# Altium PCB BEE_BOARD.PcbDoc (part 1 of 3) (continued)
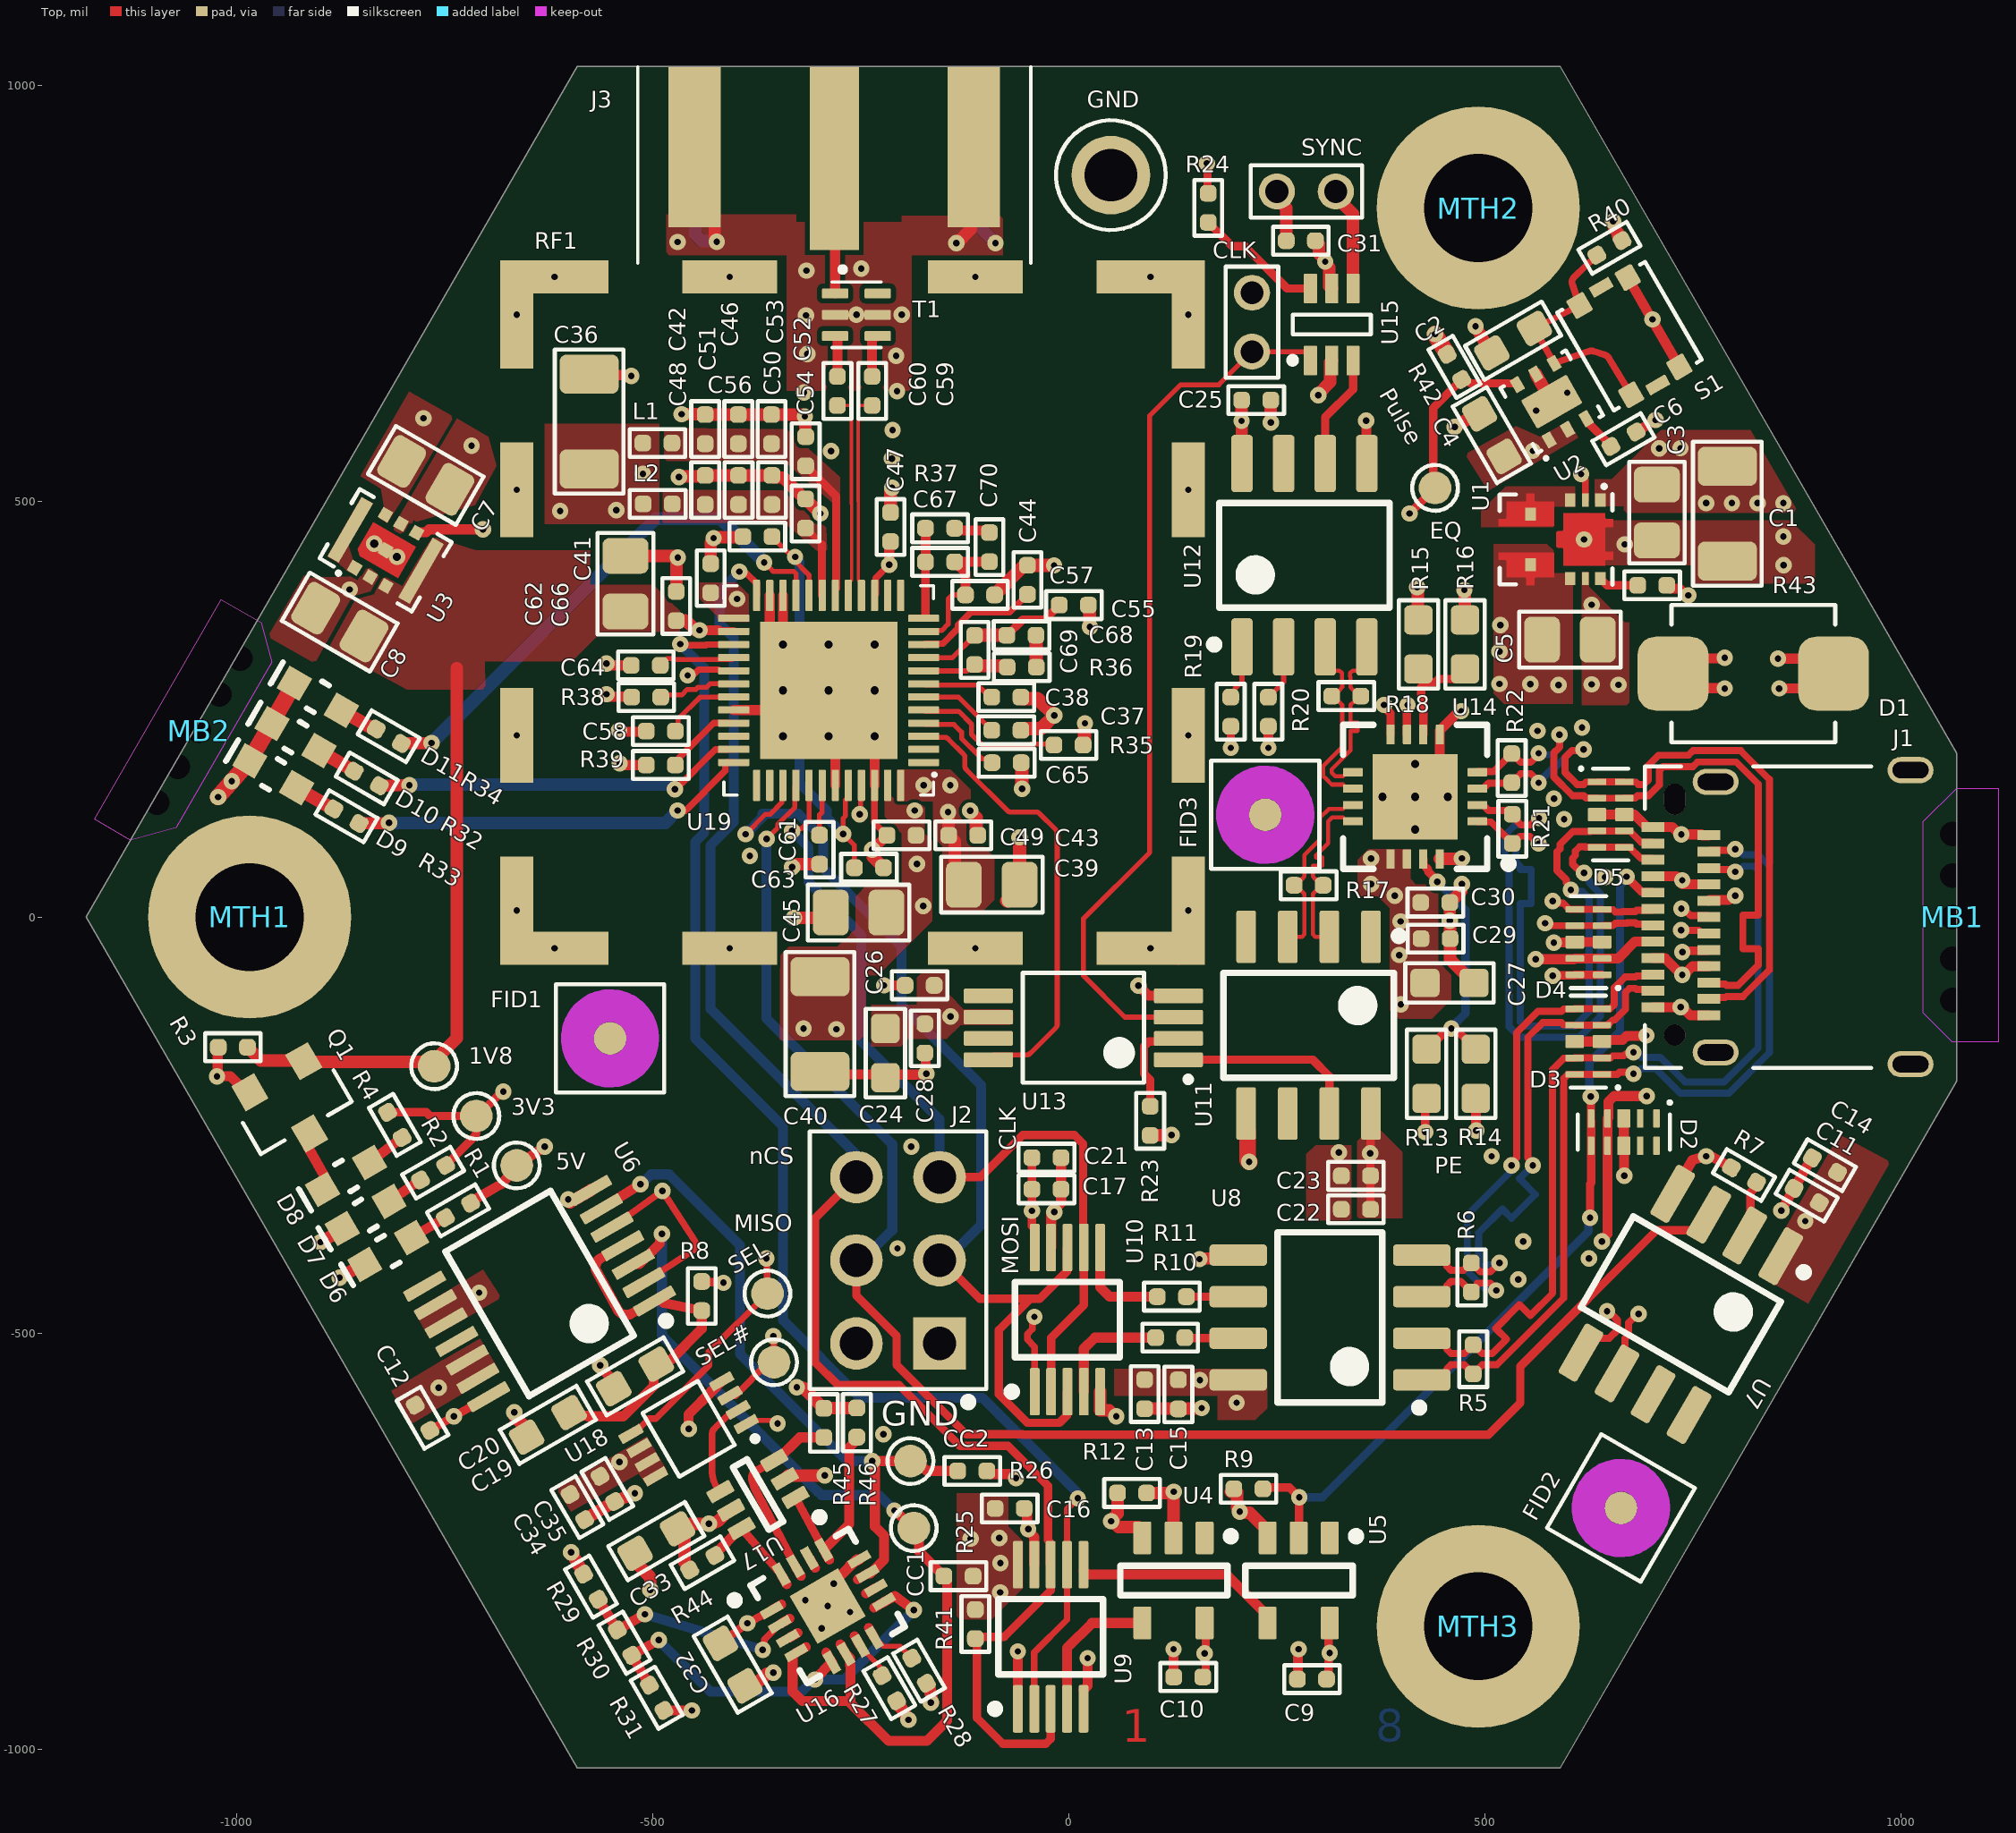
[diagram p0: Top view]
## Design rules (kind name [scope] priority, off if disabled: settings)
BoardOutlineClearance Clearance_Connecteur [InComponent('J3')] p1: gap=0 ignorepadtopadclearanceinfootprint=FALSE
BoardOutlineClearance BoardOutlineClearance-Silk [(OnLayer('Bottom Overlay')) OR (OnLayer('Top Overlay'))] p2: gap=0 ignorepadtopadclearanceinfootprint=FALSE
BoardOutlineClearance BoardOutlineClearance-Fiducials [InComponentClass('Fiducials')] p3: gap=0 ignorepadtopadclearanceinfootprint=FALSE
BoardOutlineClearance BoardOutlineClearance-MouseBites [HasFootprint('PNL_MOUSEBITES_100MIL_5-HOLES')] p4: gap=10 ignorepadtopadclearanceinfootprint=FALSE except(0: Arc-SplitContinuation Track-SplitContinuation SMDPad-SplitContinuation THPad-OutlineEdge THPad-CavityEdge THPad-CutoutEdge THPad-SplitBarrior THPad-SplitContinuation Via-SplitContinuation Fill-SplitContinuation Poly-SplitContinuation Region-OutlineEdge Region-CavityEdge Region-CutoutEdge Region-SplitBarrior Region-SplitContinuation Text-SplitContinuation; 20: Arc-OutlineEdge Track-OutlineEdge SMDPad-OutlineEdge Via-OutlineEdge Fill-OutlineEdge Poly-OutlineEdge Text-OutlineEdge)
BoardOutlineClearance [All] p5: gap=20 ignorepadtopadclearanceinfootprint=FALSE
Clearance Clearance_wg [All vs InNamedPolygon('waveguide')] p1: gap=6 ignorepadtopadclearanceinfootprint=FALSE
Clearance Clearance_HOLE_2_PAD [IsVia and (NOT InAnyComponent) vs IsSMTPin Or IsThruPin  or IsVia] p2: gap=0 ignorepadtopadclearanceinfootprint=FALSE except(2: SMDPad-Via THPad-Via; 6: Via-Via)
Clearance Clearance_VIA_SAME [IsVia and (NOT InAnyComponent) vs IsVia and (NOT InAnyComponent)] p3: gap=5.2 ignorepadtopadclearanceinfootprint=FALSE
Clearance Clearance_VIA [IsVia AND (InAnyComponent) vs IsVia AND (InAnyComponent)] p4: gap=12.2 ignorepadtopadclearanceinfootprint=FALSE
Clearance Clearance_GEN [All] p5: gap=4 ignorepadtopadclearanceinfootprint=FALSE
ComponentClearance "Schematic Component Clearance Constraint" [InComponent('MB2')] p1: gap=0 collisioncheckmode=3 verticalgap=0 showdistances=FALSE
ComponentClearance "Schematic Component Clearance Constraint_3" [InComponent('MB1')] p2: gap=0 collisioncheckmode=3 verticalgap=0 showdistances=FALSE
ComponentClearance [All] p3: gap=4 collisioncheckmode=3 verticalgap=4 showdistances=FALSE
DiffPairsRouting DIFF_100_OHM [InDifferentialPairClass('DIFF_100')] p1: maxlimit=8 minlimit=5 mostfreqgap=8 toplayer_maxgap=5 toplayer_prefgap=5 toplayer_minwidth=5 toplayer_maxwidth=5 toplayer_prefwidth=5 midlayer1_mingap=8 midlayer1_minwidth=4 midlayer1_maxwidth=4 midlayer1_prefwidth=4 midlayer2_mingap=8 midlayer2_minwidth=4 midlayer2_maxwidth=4 midlayer2_prefwidth=4 bottomlayer_maxgap=5 bottomlayer_prefgap=5 bottomlayer_minwidth=5 bottomlayer_maxwidth=5 bottomlayer_prefwidth=5 maxuncoupledlength=500
DiffPairsRouting DIFF_90_OHM [InDifferentialPairClass('DIFF_90')] p2: maxlimit=7 minlimit=5 mostfreqgap=7 toplayer_maxgap=5 toplayer_prefgap=5 toplayer_minwidth=7.5 toplayer_maxwidth=7.5 toplayer_prefwidth=7.5 midlayer1_mingap=7 midlayer1_minwidth=5 midlayer1_maxwidth=5 midlayer1_prefwidth=5 midlayer2_mingap=7 midlayer2_minwidth=5 midlayer2_maxwidth=5 midlayer2_prefwidth=5 bottomlayer_maxgap=5 bottomlayer_prefgap=5 bottomlayer_minwidth=7.5 bottomlayer_maxwidth=7.5 bottomlayer_prefwidth=7.5 maxuncoupledlength=500
DiffPairsRouting DIFF_85_OHM [InDifferentialPairClass('DIFF_85')] p3: maxlimit=5.5 minlimit=5 mostfreqgap=5.5 toplayer_maxgap=5 toplayer_prefgap=5 toplayer_minwidth=8.5 toplayer_maxwidth=8.5 toplayer_prefwidth=8.5 midlayer1_mingap=5.5 midlayer1_minwidth=5 midlayer1_maxwidth=5 midlayer1_prefwidth=5 midlayer2_mingap=5.5 midlayer2_minwidth=5 midlayer2_maxwidth=5 midlayer2_prefwidth=5 bottomlayer_maxgap=5 bottomlayer_prefgap=5 bottomlayer_minwidth=8.5 bottomlayer_maxwidth=8.5 bottomlayer_prefwidth=8.5 maxuncoupledlength=500
HoleSize [All] p1: absolutevalues=TRUE maxlimit=255.91 minlimit=7.87 maxpercent=80.000 minpercent=20.000
HoleToHoleClearance HoleToHoleClearance_Via [All] p1: gap=8 allowstackedmicrovias=TRUE
MatchedLengths [InNetClass('TX')] p1: tolerance=1 checknetsindiffpair=FALSE checkdiffpairvsdiffpair=TRUE checkxsignals=TRUE checkothers=TRUE
MatchedLengths DiffMatching_WithinPair [InDifferentialPairClass('All Differential Pairs')] p2: tolerance=1 checknetsindiffpair=TRUE checkdiffpairvsdiffpair=FALSE checkxsignals=FALSE checkothers=FALSE
MinimumAnnularRing [All] p1: minimumring=3.94
MinimumSolderMaskSliver [All] p1: minsoldermaskwidth=3.94
PasteMaskExpansion [All] p1: expansion=-0.98
PlaneClearance "Schematic Power Plane Clearance" [InComponent('MB2')] p1: clearance=20
PlaneClearance "Schematic Power Plane Clearance_3" [InComponent('MB1')] p2: clearance=20
PlaneClearance [All] p3: clearance=6
PlaneConnect [All] p1: pad.planeconnectstyle=Relief pad.reliefexpansion=20 pad.reliefentries=4 pad.reliefconductorwidth=10 pad.reliefairgap=10 via.planeconnectstyle=Direct via.reliefexpansion=20 via.reliefentries=4 via.reliefconductorwidth=10 via.reliefairgap=10
PolygonConnect [All] p1: thpad.connectstyle=Relief thpad.reliefconductorwidth=10 thpad.reliefentries=4 thpad.polygonreliefangle="90 Angle" thpad.airgapwidth=10 smdpad.connectstyle=Direct smdpad.reliefconductorwidth=10 smdpad.reliefentries=4 smdpad.polygonreliefangle="90 Angle" smdpad.airgapwidth=10 via.connectstyle=Direct via.reliefconductorwidth=10 via.reliefentries=4 via.polygonreliefangle="90 Angle" via.airgapwidth=10
RoutingVias [All] p1: holewidth=9.84 width=21.65 viastyle="Through Hole" minholewidth=7.87 minwidth=19.68 maxholewidth=255.91 maxwidth=295.28
SilkToSilkClearance [All] p1: silktosilkclearance=1
SilkToSolderMaskClearance [IsPad] p1: minsilkscreentomaskgap=1 clearancetoexposedcopper=FALSE
SolderMaskExpansion [All] p1: expansion=2.76 istentingtop=FALSE
UnRoutedNet [All] p1: checkbadconnections=TRUE
Width Width_50_OHM [InNetClass('SE_50OHM')] p1: maxlimit=12 minlimit=6 preferedwidth=12 toplayer_minwidth=12 midlayer1_maxwidth=6 midlayer1_prefwidth=6 midlayer2_maxwidth=6 midlayer2_prefwidth=6 bottomlayer_minwidth=12 minimp=50.000000 maximp=50.000000 favimp=50.000000
Width [All] p2: maxlimit=100 minlimit=4 preferedwidth=12 minimp=50.000000 maximp=50.000000 favimp=50.000000
19 further rules are at their usual default settings.

## Classes and differential pairs
net class TX: TX1_N TX1_P TX2_N TX2_P
net class SE_50OHM: CC1 CC2 NetC59_1 NetC60_1 NetJ3_1 NetR10_1 NetR11_1
differential pair class DIFF_85: D RX1 RX2 TX1 TX2
component class "Polarity Check": C32 C33 C34 C35 CC1 CC2 Pulse R25 R26 R27 R28 R29 R30 R31 R44 R45 R46 SEL SEL# U16 U17 U18
differential pair class DIFF_100: CLK_BB_LVDS RF SYNC_BB_LVDS
component class TOP: D1 D2 D3 D4 D5 GND J1 J2
component class POWER: 1V8 3V3 5V C1 C2 C3 C4 C5 C6 C7 C8 D6 D7 D8 Q1 R1 R2 R3 R4 R40 R42 R43 S1 U1 U2 U3
component class RECEIVE: C9 C10 C11 C12 C13 C14 C15 C16 C17 C19 C20 C21 C22 C23 C24 C25 C26 C27 C28 C29 C30 C31 CLK R5 R6 R7 R8 R9 R10 R11 R12 R13 R14 R15 R16 R17 R18 R19 R20 R21 R22 R23 R24 R41 SYNC U4 U5 U6 U7 U8 U9 U10 U11 U12 U13 U14 U15
component class DECAWAVE: C36 C37 C38 C39 C40 C41 C42 C43 C44 C45 C46 C47 C48 C49 C50 C51 C52 C53 C54 C55 C56 C57 C58 C59 C60 C61 C62 C63 C64 C65 C66 C67 C68 C69 C70 D9 D10 D11 J3 L1 L2 R32 R33 R34 R35 R36 R37 R38 R39 RF1 T1 U19
component class BEE_BOARD_TITLE: FID1 FID2 FID3 MB1 MB2 MTH1 MTH2 MTH3
differential pair TX2: +TX2_P -TX2_N
differential pair TX1: +TX1_P -TX1_N
differential pair RX2: +RX2_P -RX2_N
differential pair RX1: +RX1_P -RX1_N
differential pair D: +D_P -D_N
differential pair SYNC_BB_LVDS: +SYNC_BB_LVDS_P -SYNC_BB_LVDS_N
differential pair RF: +RF_P -RF_N
differential pair CLK_BB_LVDS: +CLK_BB_LVDS_P -CLK_BB_LVDS_N

## Components (designator, comment, footprint, x,y, rotation, side; value= is the part's Value field where it differs from the comment)
1V8 "1 MM" TPO_SMD_ROUND_1MM -762.62,-179.27 r300 top
3V3 "1 MM" TPO_SMD_ROUND_1MM -711.99,-239.06 r300 top
5V "1 MM" TPO_SMD_ROUND_1MM -663.39,-298.43 r120 top
C1 "CL31A226KAHNNNE" CAP_CER_1206 791.59,484.98 r90 top value=22uF
C2 "C0603C105K8PACTU" CAP_CER_0603 534.12,693.02 r210 top value=1uF
C3 "C2012X7R1E475K125AE" CAP_CER_0805 706.99,486.45 r90 top value=4.7uF
C4 "C0603C105K8PACTU" CAP_CER_0603 508.57,579.48 r120 top value=1uF
C5 "GRM21BR61C106KE15K" CAP_CER_0805 602.36,333.66 r180 top value=10uF
C6 "CGA2B3X7R1E104K050BB" CAP_CER_0402 666.72,574.55 r210 top value=100nF
C7 "C2012X7R1E475K125AE" CAP_CER_0805 -772.66,531.02 r150 top value=4.7uF
C8 "GRM21BR61C106KE15K" CAP_CER_0805 -876.05,354.64 r330 top value=10uF
C9 "CGA2B3X7R1E104K050BB" CAP_CER_0402 292.39,-916.06 r0 top value=100nF
C10 "CGA2B3X7R1E104K050BB" CAP_CER_0402 143.7,-913.46 r0 top value=100nF
C11 "CL05B103KA5NNNC" CAP_CER_0402 886.97,-334.78 r330 top value=10nF
C12 "CGA2B3X7R1E104K050BB" CAP_CER_0402 -776.58,-601.89 r120 top value=100nF
C13 "CL05B103KA5NNNC" CAP_CER_0402 91.2,-573.44 r90 top value=10nF
C14 "JMK105B7474KVHF" CAP_CER_0402 908.88,-298.16 r330 top value=470nF
C15 "JMK105B7474KVHF" CAP_CER_0402 131.81,-573.76 r90 top value=470nF
C16 "CGA2B3X7R1E104K050BB" CAP_CER_0402 -70.97,-710.81 r180 top value=100nF
C17 "CL05B103KA5NNNC" CAP_CER_0402 -26.71,-327.14 r180 top value=10nF
C19 "C0603C105K8PACTU" CAP_CER_0603 -625.98,-610.35 r210 top value=1uF
C20 "C0603C105K8PACTU" CAP_CER_0603 -521.21,-552.17 r210 top value=1uF
C21 "JMK105B7474KVHF" CAP_CER_0402 -26.71,-289.2 r180 top value=470nF
C22 "CGA2B3X7R1E104K050BB" CAP_CER_0402 345.17,-351.28 r0 top value=100nF
C23 "CC0402KRX7R9BB102" CAP_CER_0402 345.17,-310.99 r0 top value=1nF
C24 "C0603C105K8PACTU" CAP_CER_0603 -220.29,-163.41 r270 top value=1uF
C25 "CGA2B3X7R1E104K050BB" CAP_CER_0402 225.36,621.61 r180 top value=100nF
C26 "CGA2B3X7R1E104K050BB" CAP_CER_0402 -179.17,-82.01 r0 top value=100nF
C27 "C0603C105K8PACTU" CAP_CER_0603 457.69,-79.16 r0 top value=1uF
C28 "CC0402KRX7R9BB102" CAP_CER_0402 -172.92,-145.81 r90 top value=1nF
C29 "CGA2B3X7R1E104K050BB" CAP_CER_0402 440.94,-25.97 r180 top value=100nF
C30 "CC0402KRX7R9BB102" CAP_CER_0402 440.63,17.5 r180 top value=1nF
C31 "CGA2B3X7R1E104K050BB" CAP_CER_0402 278.98,813.21 r180 top value=100nF
C32 "C0603C105K8PACTU" CAP_CER_0603 -403.86,-898.58 r300 top value=1uF
C33 "C0603C105K8PACTU" CAP_CER_0603 -495.66,-750.14 r210 top value=1uF
C34 "CGA2B3X7R1E104K050BB" CAP_CER_0402 -590.55,-709.19 r120 top value=100nF
C35 "CGA2B3X7R1E104K050BB" CAP_CER_0402 -554.49,-687.41 r120 top value=100nF
C36 "CL31A226KAHNNNE" CAP_CER_1206 -576.3,595.83 r270 top value=22uF
C37 "CGA2B3X7R1E104K050BB" CAP_CER_0402 -74.95,224.62 r180 top value=100nF
C38 "CGA2B3X7R1E104K050BB" CAP_CER_0402 -74.95,264.62 r180 top value=100nF
C39 "C2012X7R1E475K125AE" CAP_CER_0805 -92.45,39.01 r180 top value=4.7uF
C40 "CL31A226KAHNNNE" CAP_CER_1206 -298.87,-128.54 r90 top value=22uF
C41 "CGA2B3X7R1E104K050BB" CAP_CER_0402 -430.25,407.49 r270 top value=100nF
C42 "CGA2B3X7R1E104K050BB" CAP_CER_0402 -436.9,586.69 r270 top value=100nF
C43 "CGA2B3X7R1E104K050BB" CAP_CER_0402 -126.75,98.31 r180 top value=100nF
C44 "CGA2B3X7R1E104K050BB" CAP_CER_0402 -49.6,405.43 r270 top value=100nF
C45 "C2012X7R1E475K125AE" CAP_CER_0805 -252.49,5.51 r0 top value=4.7uF
C46 "CL05B103KA5NNNC" CAP_CER_0402 -397.06,586.69 r270 top value=10nF
C47 "CGA2B3X7R1E104K050BB" CAP_CER_0402 -214.07,468.95 r270 top value=100nF
C48 "CGA2B3X7R1E104K050BB" CAP_CER_0402 -436.9,513.52 r270 top value=100nF
C49 "CGA2B3X7R1E104K050BB" CAP_CER_0402 -200.92,98.31 r0 top value=100nF
C50 "CC0402KRX7R9BB102" CAP_CER_0402 -357.23,586.69 r270 top value=1nF
C51 "CL05B103KA5NNNC" CAP_CER_0402 -396.77,513.52 r270 top value=10nF
C52 "CC0402JRNPO9BN120" CAP_CER_0402 -316.03,560.11 r270 top value=12pF
C53 "CC0402KRX7R9BB102" CAP_CER_0402 -356.65,513.52 r270 top value=1nF
C54 "CC0402JRNPO9BN120" CAP_CER_0402 -316.19,485.19 r270 top value=12pF
C55 "CGA2B3X7R1E104K050BB" CAP_CER_0402 6.17,375.13 r180 top value=100nF
C56 "CGA2B3X7R1E104K050BB" CAP_CER_0402 -374.15,457.47 r0 top value=100nF
C57 "CGA2B3X7R1E104K050BB" CAP_CER_0402 -106.56,387.39 r180 top value=100nF
C58 "CGA2B3X7R1E104K050BB" CAP_CER_0402 -490.24,223.64 r0 top value=100nF
C59 "CC0402JRNPO9BN120" CAP_CER_0402 -236.26,632.61 r270 top value=12pF
C60 "CC0402JRNPO9BN120" CAP_CER_0402 -277.91,632.61 r270 top value=12pF
C61 "CGA2B3X7R1E104K050BB" CAP_CER_0402 -299.45,81.13 r90 top value=100nF
C62 "C2012X7R1E475K125AE" CAP_CER_0805 -532.74,400.87 r270 top value=4.7uF
C63 "CGA2B3X7R1E104K050BB" CAP_CER_0402 -240.01,59.38 r180 top value=100nF
C64 "CGA2B3X7R1E104K050BB" CAP_CER_0402 -508.29,302.66 r180 top value=100nF
C65 "CC0402JRNPO9BN101" CAP_CER_0402 -74.59,185.72 r180 top value=100pF
C66 "CGA2B3X7R1E104K050BB" CAP_CER_0402 -471.64,374.03 r270 top value=100nF
C67 "GRM1555C1H180GA01D" CAP_CER_0402 -154.58,427.11 r180 top value=18pF
C68 "CC0402JRNPO9BN270" CAP_CER_0402 -56.74,338.89 r0 top value=27pF
C69 "C0402C129C5GACTU" CAP_CER_0402 -113.02,321.24 r90 top value=1.2pF
C70 "CC0402KRX7R9BB821" CAP_CER_0402 -95.31,444.82 r90 top value=820pF
CC1 "1 MM" TPO_SMD_ROUND_1MM -186.17,-734.47 r0 top
CC2 "1 MM" TPO_SMD_ROUND_1MM -190.2,-653.95 r90 top
CLK "TH ROUND 0.7mm DOUBLE" TPO_TH_ROUND_0.7mm_DOUBLE 220.28,715.21 r270 top
D1 "SMBJ5.0A" TVS_PWR_SMBJ5.0CA 822.83,292.74 r0 top value="Vbr = 6.4V -  Clamp = 9.2V"
D2 "DT1140-04LP-7" TVS_DATA_DT1140-04LP-7 667.17,-258.42 r270 top value="5.5V @ 1mA (Reverse Standoff)"
D3 "DT1140-04LP-7" TVS_DATA_DT1140-04LP-7 624.55,-149.59 r180 top value="5.5V @ 1mA (Reverse Standoff)"
D4 "DT1140-04LP-7" TVS_DATA_DT1140-04LP-7 651.35,123.32 r0 top value="5.5V @ 1mA (Reverse Standoff)"
D5 "DT1140-04LP-7" TVS_DATA_DT1140-04LP-7 624.74,-29.96 r180 top value="5.5V @ 1mA (Reverse Standoff)"
D6 "SML-D12P8WT86" LED_SML-D12P8WT86 -817.83,-401.4 r30 top value="560 nm (green)"
D7 "SML-D12P8WT86" LED_SML-D12P8WT86 -844.93,-358.15 r30 top value="560 nm (green)"
D8 "SML-D12P8WT86" LED_SML-D12P8WT86 -868.49,-311.23 r30 top value="560 nm (green)"
D9 "SML-D12P8WT86" LED_SML-D12P8WT86 -956.09,171.72 r330 top value="560 nm (green)"
D10 "SML-D12P8WT86" LED_SML-D12P8WT86 -929.26,216.5 r330 top value="560 nm (green)"
D11 "SML-D12P8WT86" LED_SML-D12P8WT86 -902.37,264.91 r330 top value="560 nm (green)"
FID1 "FID 1MM" FID_CIRCLE_1MM -551.18,-145.67 r0 top
FID2 "FID 1MM" FID_CIRCLE_1MM 663.67,-710.31 r60 top
FID3 "FID 1MM" FID_CIRCLE_1MM 236.22,123.04 r0 top
GND "5011" TPO_5011 50.74,892.05 r0 top
J1 "12401598E4#2A" CON_USB_3.2_TypeC_12401598E4#2A 728.35,0 r90 top value="USB 3.2 Type C"
J2 "10129381-906002BLF" CON_HDR_10129381-906002BLF -205.2,-412.52 r180 top value="6 Pos."
J3 "CONSMA020.062-G" CON_SMA_CONSMA020.062-G -281.72,912.11 r180 top value="50 ohm"
L1 "BLM15AG601SN1D" FER_0402 -494.3,569.96 r0 top value=600R@100Mhz
L2 "BLM15AG601SN1D" FER_0402 -493.98,496.79 r0 top value=600R@100Mhz
MB1 "MOUSE BITES" PNL_MOUSEBITES_100MIL_5-HOLES 1117.13,0 r90 top
MB2 "MOUSE BITES" PNL_MOUSEBITES_100MIL_5-HOLES -1093.3,251.92 r240 top
MTH1 "M3" MTH_M3#1 -984.25,0 r0 top locked
MTH2 "M3" MTH_M3#2 492.13,852.36 r0 top locked
MTH3 "M3" MTH_M3#1 492.13,-852.36 r0 top locked
Pulse "1 MM" TPO_SMD_ROUND_1MM 440.31,515.99 r90 top
Q1 "BSS138LT1G" TRX_NMOS_BSS138LT1G -932.1,-225.98 r300 top
R1 "ERJ-2RKF4020X" RES_0402 -733.96,-352.56 r30 top value=402R
R2 "ERJ-2RKF4750X" RES_0402 -763.94,-307.18 r30 top value=475R
R3 "RC0402FR-0710KL" RES_0402 -1004.57,-156.35 r180 top value=10k
R4 "ERJ-2RKF4750X" RES_0402 -809.83,-249.77 r300 top value=475R
R5 "RC0402FR-0784R5L" RES_0402 486.22,-531.5 r270 top value=84R5
R6 "RC0402FR-0784R5L" RES_0402 484.04,-433.19 r270 top value=84R5
R7 "RC0402FR-071KL" RES_0402 811.58,-310.01 r330 top value=1k
R8 "RC0402FR-07100KL" RES_0402 -441.08,-455.49 r90 top value=100k
R9 "RC0402FR-0710KL" RES_0402 216.02,-687.3 r180 top value=10k
R10 "RC0402FR-0733RL" RES_0402 121.96,-505.53 r0 top value=33R
R11 "RC0402FR-0733RL" RES_0402 123.99,-456.26 r0 top value=33R
R12 "RC0402FR-0710KL" RES_0402 76.16,-692.3 r180 top value=10k
R13 "RC0603JR-070RL" RES_0603 430.12,-188.39 r270 top value=0R
R14 "RC0603JR-070RL" RES_0603 489.18,-188.4 r90 top value=0R
R15 "RC0603JR-070RL" RES_0603 420.28,327.76 r90 top value=0R
R16 "RC0603JR-070RL" RES_0603 476.38,327.76 r270 top value=0R
R17 "RC0402FR-07100RP" RES_0402 288.39,38.39 r0 top value=100R
R18 "RC0402FR-07100RP" RES_0402 333.66,265.75 r180 top value=100R
R19 "RC0402FR-071KL" RES_0402 194.79,246.9 r270 top value=1k
R20 "RC0402FR-071KL" RES_0402 239.96,246.89 r270 top value=1k
R21 "RMCF0402FT562R" RES_0402 533.16,106.21 r270 top value=562R
R22 "RMCF0402FT562R" RES_0402 532.48,179.13 r270 top value=562R
R23 "RC0402FR-0710KL" RES_0402 97.95,-244.86 r270 top value=10k
R24 "RC0402FR-0710KL" RES_0402 167.77,852.68 r90 top value=10k
R25 "RC0402FR-07100KL" RES_0402 -132.45,-792.28 r0 top value=100k
R26 "RC0402FR-07100KL" RES_0402 -115.85,-665.81 r180 top value=100k
R27 "RC0402FR-07100KL" RES_0402 -215.61,-927.01 r300 top value=100k
R28 "RC0402FR-07100KL" RES_0402 -179.87,-905.89 r300 top value=100k
R29 "RC0402FR-07100KL" RES_0402 -574.2,-804.89 r120 top value=100k
R30 "RMCF0402FT200K" RES_0402 -533.82,-872.21 r120 top value=200K
R31 "RC0402FR-07100KL" RES_0402 -495.18,-938.48 r120 top value=100k
R32 "ERJ-2RKF4750X" RES_0402 -843.61,166.72 r330 top value=475R
R33 "ERJ-2RKF4750X" RES_0402 -868.01,121.29 r330 top value=475R
R34 "ERJ-2RKF4750X" RES_0402 -817.17,217.46 r330 top value=475R
R35 "RC0402FR-0711KL" RES_0402 -0.14,206.91 r180 top value=11k
R36 "RC0402FR-0716KL" RES_0402 -56.43,300.57 r0 top value=16k
R37 "RC0402FR-07270RL" FER_0402 -154.58,467.47 r180 top value=270
R38 "RC0402FR-0710KL" RES_0402 -507.74,264.46 r0 top value=10k
R39 "RC0402FR-0710KL" RES_0402 -490.24,182.96 r0 top value=10k
R40 "RC0402FR-07100KL" RES_0402 649.92,804.56 r30 top value=100k
R41 "RC0402FR-0710KL" RES_0402 -112.2,-849.86 r90 top value=10k
R42 "RC0402FR-07100KL" RES_0402 463.59,661.46 r120 top value=100k
R43 "RC0402FR-07100KL" RES_0402 701.31,398.94 r0 top value=100k
R44 "RC0402FR-0710KL" RES_0402 -440.31,-776.09 r210 top value=10k
R45 "RC0402FR-0710KL" RES_0402 -294.32,-607.99 r90 top value=10k
R46 "RC0402FR-0710KL" RES_0402 -254.69,-607.63 r90 top value=10k
RF1 "36103205S" RF_SH_BASE_36103205S -259.84,366.14 r0 top locked value=20x20x3mm
S1 "435171014816" SWI_TACT_435171014816 673.97,698.43 r300 top value=SPST-NO